# KiCad board AmigaPCI Mainboard.kicad_pcb (continued)
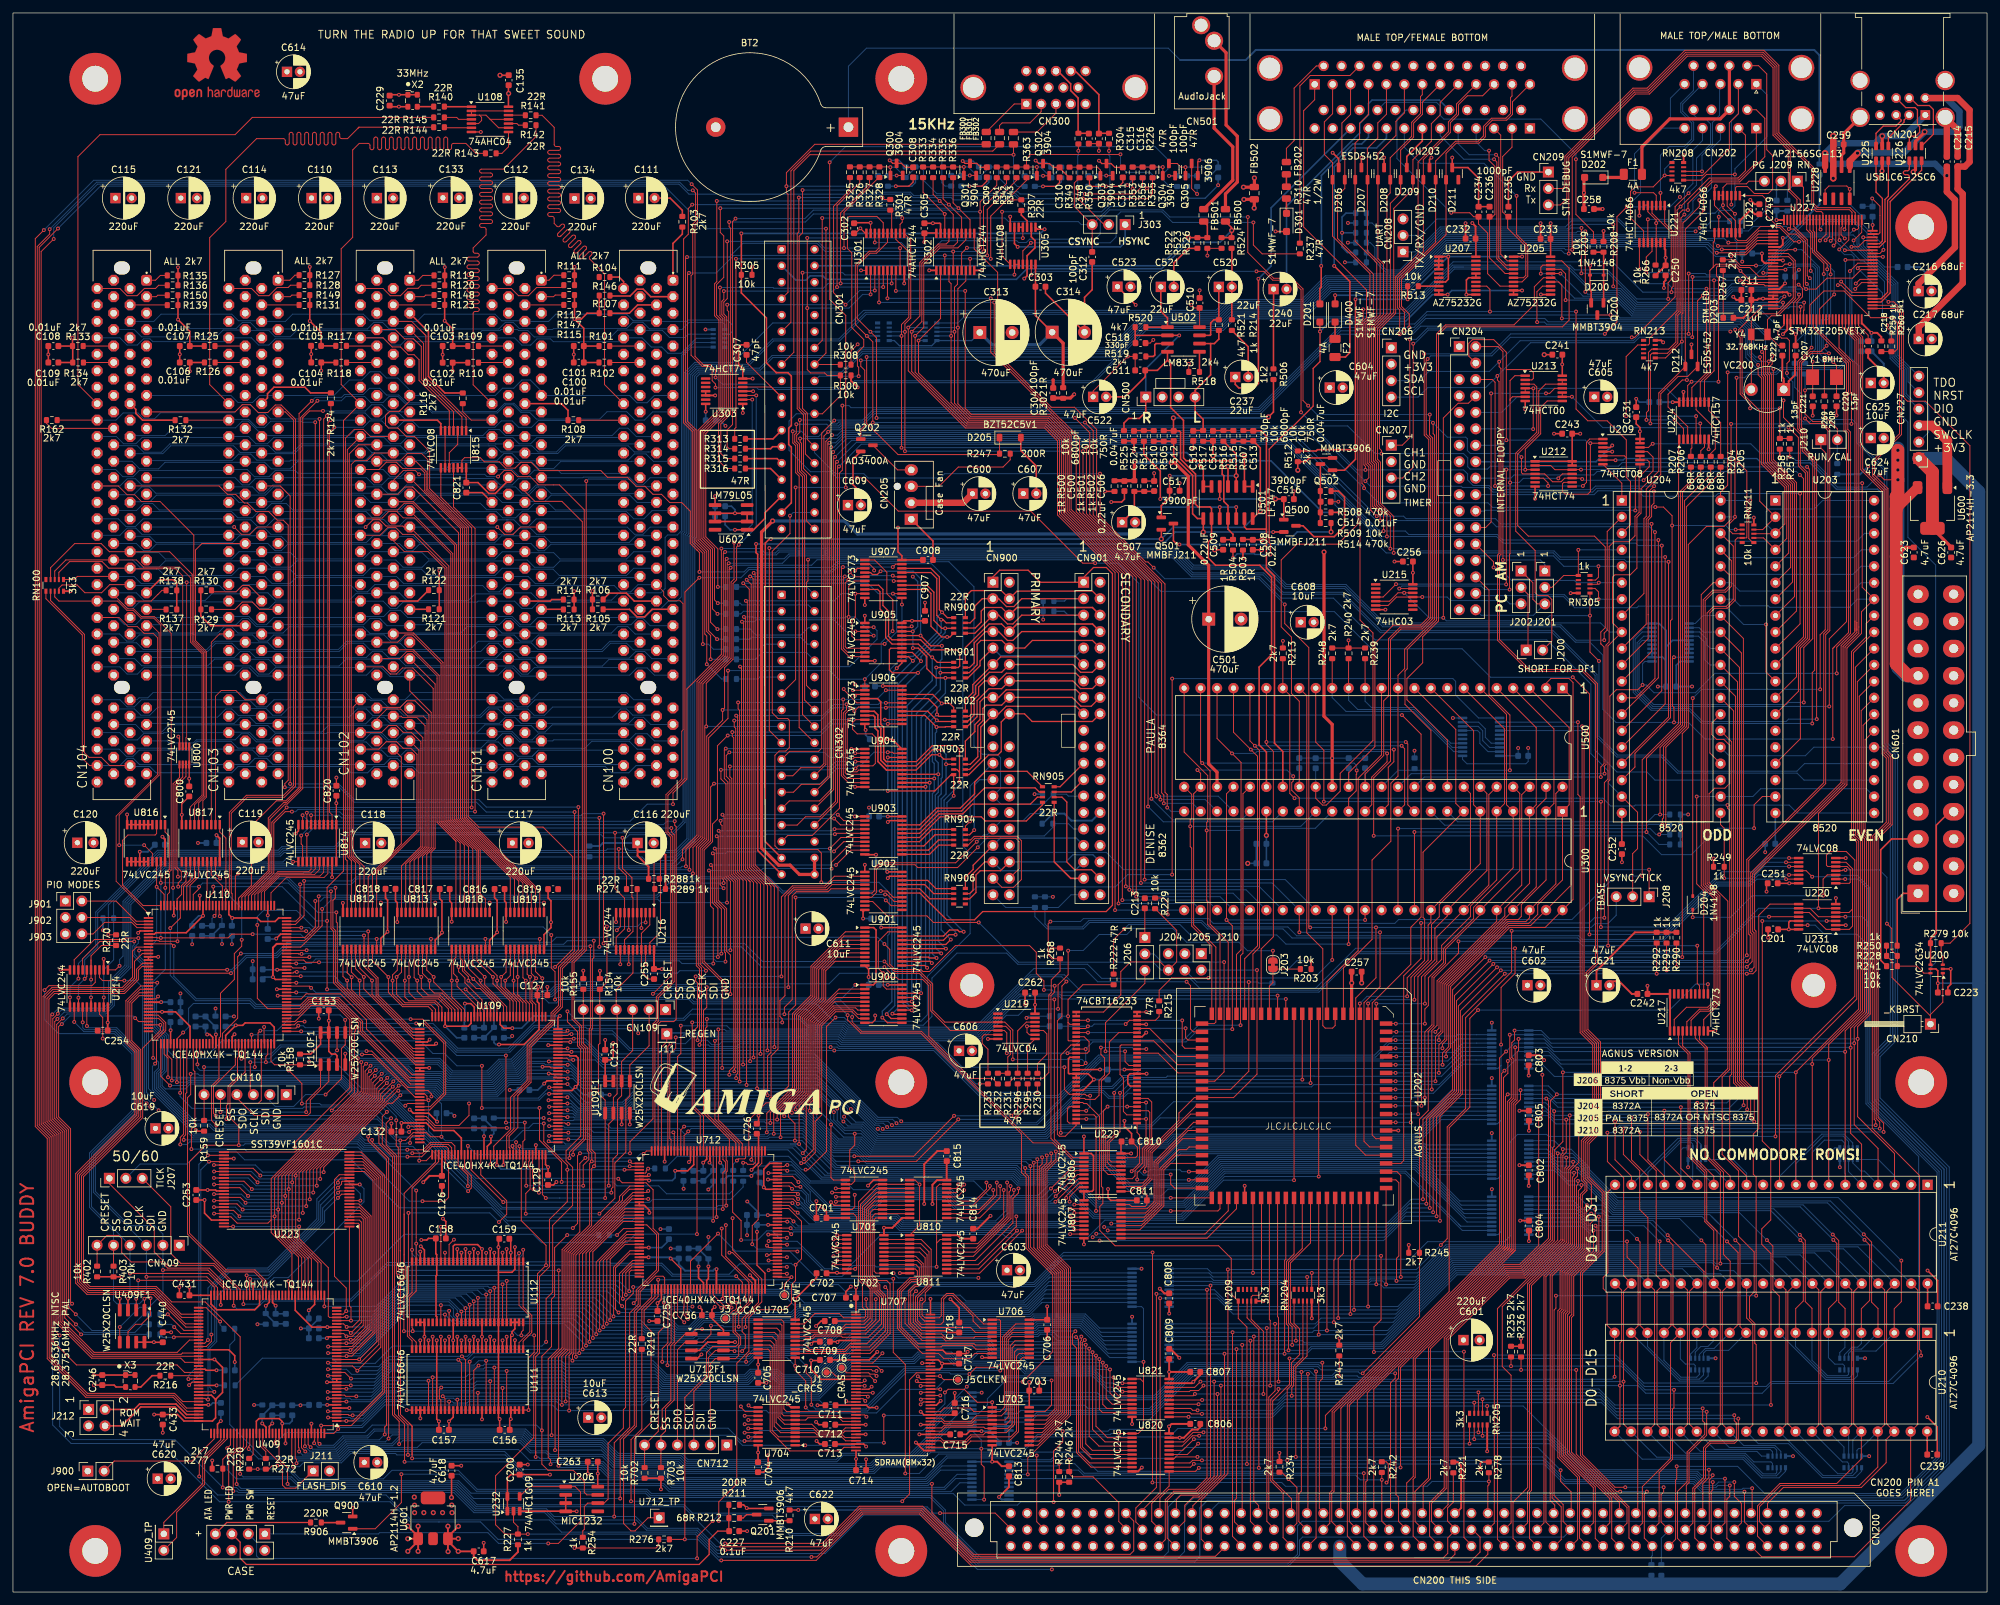
[diagram p0: board, top side]
## Routing (per net, layer and track width the routed paths; a pad name or vN(x,y) marks a point on that pad's centre or on a via; arc(x,y) is an arc through that point) (continued)
_CLMBE: length 37.1
  Top w0.15: U707.59 140.54,29.35 140.17,28.98 v1(140.15,28.98) ; 118.03,49.7 v1(116.67,49.7)
  In2.Cu w0.15: v1(140.15,28.98) 139.52,28.98 136.7,31.8 136.7,35.21 122.23,49.68 116.69,49.68 v1(116.67,49.7)
_COMPSYNC: length 88.7
  Top w0.15: C312.1 166.63,211.15 ; v1(124.95,212.17) 124.95,193.28 CN301.14 ; R353.1 v1(172.88,216.69) ; R348.1 163.88,217.59 163.88,213.95 164.77,213.06 164.77,213.03 J303.3 ; v1(137.31,212.16) 137.31,211.54 136.97,211.2 U301.12
  Bottom w0.15: v1(124.95,212.17) 124.95,212.17 136.44,212.17 136.44,212.17 153.15,212.17 153.71,211.62 164.49,211.62 164.95,211.16 J303.3 169.43,213.95 170.8,213.95 172.88,216.03 v1(172.88,216.69)
_CONFIGEN: length 79.4
  Top w0.15: v1(27.44,80.01) 27.44,76.84 26.96,76.36 26.96,55.28 32.8,49.44 37.25,49.44 38.58,48.1 U409.56 ; v1(60.58,75.1) 60.92,75.44 U109.24
  Bottom w0.15: v1(60.58,75.1) 60.26,75.1 58.35,77.01 53.74,77.01 50.96,79.78 28.78,79.78 28.56,80.01 v1(27.44,80.01)
_CPUBUS: length 45.4
  Top w0.15: v1(61.15,71.04) 61.55,71.44 U109.32 ; U110.60 34.34,81.41 30.97,78.03 30.97,73.91 v1(31.3,73.58)
  Bottom w0.15: v1(61.15,71.04) 58.65,71.04 56.1,73.58 31.31,73.58 v1(31.3,73.58)
_CPULOCK: length 53.5
  Top w0.15: 195.88,18.51 v1(196.94,17.44) 198.24,16.15 198.24,10.63 CN200.b18
  Bottom w0.15: U809.15 196.86,17.52 v1(196.94,17.44)
_CPURST: length 190.9
  Top w0.15: 197.41,7.11 196.11,8.41 196.11,15.28 194.2,17.19 194.2,29.76 195.39,30.95 v1(195.39,31.35) ; 281.46,103.63 v1(280.03,103.63) ; v1(270.1,103.62) 270.1,69.65 271.4,68.34 271.4,57.46 270.01,56.07 270.01,53.69 271.44,52.27 v1(271.44,28.89)
  Bottom w0.15: v1(195.39,31.35) 244.88,31.35 247.35,28.88 271.43,28.88 v1(271.44,28.89) ; v1(270.1,103.62) 280.02,103.62 v1(280.03,103.63)
_CRAS: length 37.5
  Top w0.15: v1(133.34,33.37) 133.06,33.65 132.33,33.65 132.13,33.85 U707.19 128.73,33.85 J6.1 ; U712.61 110.62,45.02 v1(110.94,44.69)
  In2.Cu w0.15: v1(133.34,33.37) 132.02,34.69 132.02,38.18 125.83,44.38 112.47,44.38 112.25,44.15 111.48,44.15 v1(110.94,44.69)
_CRCS: length 40.7
  Top w0.15: U712.60 110.12,44.77 v1(110.96,43.93) ; v1(133.12,32.57) 132.34,33.35 U707.20 127.04,33.35 126.47,33.92 J1.1
  In2.Cu w0.15: v1(110.96,43.93) 111.04,43.85 112.43,43.85 112.66,44.07 125.71,44.07 131.73,38.06 131.73,34.17 133.12,32.78 v1(133.12,32.57)
_CS0A: length 107.2
  Top w0.15: v1(107.47,111.42) 107.69,111.19 107.69,105.97 108.13,105.53 v1(108.13,97.05) ; U903.8 128.91,115.21 126.4,112.7 v1(126.4,111.71) ; v1(47.25,97.24) 45.24,97.24 44.89,97.59 U110.95
  Bottom w0.15: v1(126.4,111.71) 126.37,111.74 115.8,111.74 115.48,111.42 v1(107.47,111.42) ; v1(108.13,97.05) 103.3,97.05 102.88,97.47 86.4,97.47 86.18,97.24 v1(47.25,97.24)
_CS0B: length 117.7
  Top w0.15: v1(126.91,117.03) 127.04,117.16 U903.5 ; U110.85 v1(43.74,92.59) ; v1(110.78,92.34) 110.78,98.37 110.19,98.95 110.19,105.53 108.89,106.83 108.89,116.48 v1(108.66,116.71)
  Bottom w0.15: v1(126.91,117.03) 126.91,117.02 116.37,117.02 116.06,116.71 v1(108.66,116.71) ; v1(110.78,92.34) 106.73,92.34 105.87,93.2 84.06,93.2 83.1,92.24 45.69,92.24 45.34,92.59 v1(43.74,92.59)
_CS1A: length 106
  Top w0.15: v1(127.08,112.27) 129.38,114.56 U903.9 ; 42.33,98.01 45.73,98.01 v1(45.77,98.05) ; v1(108.84,98.06) 108.84,105.6 107.99,106.46 107.99,112.04 v1(107.76,112.27)
  Bottom w0.15: v1(107.76,112.27) v1(127.08,112.27) ; v1(108.84,98.06) 108.74,98.17 45.88,98.17 v1(45.77,98.05)
_CS1B: length 104.8
  Top w0.15: U110.102 45.08,101.09 46.69,102.69 v1(46.69,106.71) ; 131.53,117.81 126.85,117.81 v1(126.85,117.81) ; v1(108.96,117.55) 109.19,117.32 109.19,109.21 v1(109.72,108.68)
  Bottom w0.15: v1(108.96,117.55) 126.59,117.55 v1(126.85,117.81) ; v1(109.72,108.68) 100.92,108.68 99.53,107.29 48.06,107.29 47.48,106.71 v1(46.69,106.71)
_CSYNC: length 202.8
  Top w0.15: v1(211.07,101.87) 211.08,101.87 211.08,93.47 208.6,90.99 208.6,69.6 209.47,68.73 U202.80 ; U301.8 136.32,200.92 v1(136.32,200.92) ; U300.32 198.61,101.88 v1(198.62,101.87) ; v1(147.03,200.92) 147.03,182.78 147.95,181.86 160.15,181.86 163.38,178.63 163.38,167.19 174.16,156.41 v1(174.16,109.49)
  Bottom w0.15: v1(147.03,200.92) v1(136.32,200.92) ; v1(174.16,109.49) 194.42,109.49 U300.32 ; v1(211.07,101.87) v1(198.62,101.87)
_CUMBE: length 26.3
  Top w0.15: v1(134.25,36.87) 132.73,35.35 U707.16 ; 118.03,49.2 119.44,49.2 v1(119.5,49.15)
  In2.Cu w0.15: v1(134.25,36.87) 134.25,37.23 122.33,49.15 v1(119.5,49.15)
_CUTOFF: length 3.2
  Top w0.25: 220.15,201.66 217,201.66
_CUUBE: length 31.6
  Top w0.15: v1(140.38,35.35) U707.71 ; U712.85 v1(119.5,54.7)
  In2.Cu w0.15: v1(140.38,35.35) 121.03,54.7 v1(119.5,54.7)
_CWE: length 31.2
  Top w0.15: v1(134.13,34.14) 133.43,34.85 U707.17 ; J4.1 119.11,47.53 v1(120.2,48.62) 118.1,48.62
  In2.Cu w0.15: v1(120.2,48.62) 122.43,48.62 132.62,38.43 132.62,35.65 v1(134.13,34.14)
_DATARDY: length 178.6
  Top w0.15: v1(158.07,21.08) 158.07,10.86 159.3,9.63 ; 80.71,21.66 80.71,21.65 v1(80.71,20.85) ; 80.71,21.66 80.71,21.28 ; 80.71,21.66 80.71,36.32 81.29,36.91 81.29,48.71 82.84,50.25 82.84,57.53 85.59,60.29 v1(85.59,65.21) 85.59,65.92 81.96,69.55 v1(81.96,72.36) ; v1(76.26,71.67) 65.15,71.67 63.88,72.94 U109.29 ; U712.3 94.43,65.2 v1(94.42,65.21)
  Bottom w0.15: v1(76.26,71.67) 79.64,71.67 80.33,72.36 v1(81.96,72.36) ; v1(94.42,65.21) v1(85.59,65.21) ; v1(80.71,20.85) 81.12,20.85 81.35,20.63 85.18,20.63 85.68,20.13 91.16,20.13 92.45,18.84 101.59,18.84 102.76,17.66 140.8,17.66 144.14,21 157.23,21 157.31,21.08 v1(158.07,21.08)
_DBEN: length 86.3
  Top w0.15: U706.19 154.82,41.39 152.78,39.35 152.78,34.53 v1(152.45,34.19) ; v1(100.25,35.55) 100.25,37.6 101.12,38.47 U712.42 ; v1(122.46,34.94) 122.47,34.94 122.47,33.83 123.27,33.03 v1(123.27,28.93) ; v1(113.2,35.55) 113.2,36.35 113.69,36.84 115.05,36.84
  Bottom w0.15: v1(100.25,35.55) v1(113.2,35.55) 113.66,35.55 114.63,36.52 120.88,36.52 v1(122.46,34.94) ; v1(123.27,28.93) 123.94,28.26 131.73,28.26 137.66,34.19 v1(152.45,34.19)
_DBR: length 53.7
  Top w0.15: U202.20 200.34,78.61 v1(200.35,78.6) ; v1(170.93,77.08) 170.93,71.07 169.25,69.39 169.25,66.76 169.59,66.43 U806.18
  Bottom w0.15: v1(200.35,78.6) 172.45,78.6 v1(170.93,77.08)
_DEVSEL: length 117.4
  Top w0.13: v1(26.82,155.91) 26.82,132.03 26.71,131.92 U800.2
  Top w0.15: RN100.6 9.46,156.35 9.94,156.83 CN104.B37
  Bottom w0.13: 35.85,156.83 38.91,156.83 40.02,155.72 42.77,155.72 43.73,156.68 56.02,156.68 ; 56.18,156.82 59.22,156.82 60.34,155.71 63.09,155.71 64.05,156.67 76.34,156.67 ; 76.49,156.82 79.54,156.82 80.66,155.71 83.4,155.71 84.36,156.67 96.65,156.67 ; 35.71,156.68 31.13,156.68 30.36,155.91 v1(26.82,155.91) 22.45,155.91 22.26,155.72 19.81,155.72 18.69,156.83 CN104.B37
_DIORA: length 107.4
  Top w0.15: v1(108.06,114.08) 108.29,113.85 108.29,106.58 109.38,105.49 v1(109.38,98.59) ; U903.7 128.26,115.86 v1(126.77,114.37) ; v1(44.56,98.54) 44.09,98.54 44.04,98.59 U110.97
  Bottom w0.15: v1(109.38,98.59) 45.09,98.59 45.04,98.54 v1(44.56,98.54) ; v1(126.77,114.37) 126.69,114.28 110.27,114.28 110.06,114.08 v1(108.06,114.08)
_DIORB: length 106.5
  Top w0.15: U903.3 127.75,118.46 v1(126.78,119.44) ; v1(47.21,107.43) 47.21,102.79 45.01,100.59 U110.101 ; v1(109.26,119.1) 109.26,118.57 109.49,118.35 109.49,110.18 109.72,109.94 v1(109.72,109.48)
  Bottom w0.15: v1(109.72,109.48) 101.3,109.48 99.42,107.6 47.39,107.6 v1(47.21,107.43) ; v1(126.78,119.44) 109.6,119.44 v1(109.26,119.1)
_DIOWA: length 110.3
  Top w0.15: U110.94 43.72,97.09 v1(43.74,97.06) ; v1(108.36,114.81) 108.59,114.58 108.59,106.71 109.89,105.41 109.89,98.82 110.01,98.7 v1(110.01,97.35) ; U903.6 127.84,116.51 v1(126.13,114.81)
  Bottom w0.15: v1(110.01,97.35) 108.63,97.35 108.21,97.77 46.77,97.77 46.06,97.06 v1(43.74,97.06) ; v1(126.13,114.81) v1(108.36,114.81)
_DIOWB: length 109
  Top w0.15: v1(127.36,120.03) 128.28,119.11 U903.2 ; U110.99 44.43,99.59 47.74,102.89 v1(47.74,105.48) ; v1(110.25,106.45) 110.25,109.84 109.79,110.3 109.79,119.79 v1(109.55,120.03)
  Bottom w0.15: v1(127.36,120.03) v1(109.55,120.03) ; v1(47.74,105.48) 49.25,106.99 99.56,106.99 100.09,106.45 v1(110.25,106.45)
_DKRD: length 52.9
  Top w0.15: CN204.30 227.9,154.71 227.9,138.65 231.13,135.42 v1(231.13,126.9)
  Bottom w0.15: U500.37 213.87,126.9 v1(231.13,126.9)
_DKWD: length 87.3
  Top w0.15: U209.10 U209.9 252.35,174.8 252.65,174.5 252.65,173.78 251.07,172.21 251.07,166.72 250.44,166.09 250.44,163.1 249.53,162.19 247.19,162.19 246.45,161.45 246.45,146.7 245.96,146.22 245.96,127.78 245.74,127.56 v1(245.74,126.38)
  Bottom w0.15: v1(245.74,126.38) 215.88,126.38 U500.38
_DRDEN: length 62.3
  Top w0.15: U811.19 143.17,54.44 142.61,53.89 ; 142.61,53.89 142.61,62.52 143.06,62.97 U810.19 ; 142.61,53.89 v1(142.61,50.22) ; v1(114.15,53.71) 114.15,56.59 115.06,57.5 115.06,65.64 115.62,66.21 U712.110
  Bottom w0.15: v1(142.61,50.22) 133.26,50.22 133.05,50.43 129.7,50.43 128.01,48.73 126.09,48.73 121.71,53.11 118.78,53.11 118.62,52.95 114.9,52.95 v1(114.15,53.71)
_FEN: length 39.9
  Top w0.15: v1(30.09,67.44) 30.09,67.44 U223.26 ; v1(27.09,32.88) 27.53,32.88 27.55,32.91 U409.95
  Bottom w0.15: v1(30.09,67.44) 28.7,66.06 28.7,35.06 27.09,33.45 v1(27.09,32.88)
_FIR0: length 105
  Top w0.15: U227.63 285.35,204.2 284.04,202.89 280.08,202.89 278.39,201.2 v1(276.86,201.2) 276.44,201.62 276.44,208.57 275.32,209.69 274.21,209.69 272.89,211.01 272.32,211.01 270.65,212.69 270.65,215.11 270.13,215.63 U222.1 ; v1(260.91,200.2) 260.11,199.4 D212.2 258.58,187.72 257.11,187.72 254.42,185.03 254.42,172.56 252.18,170.32 252.18,166.1 251.82,165.74 251.82,154.19 U204.8
  Bottom w0.15: v1(260.91,200.2) 264.43,200.2 265.44,201.2 v1(276.86,201.2)
_FIR1: length 403.9
  Top w0.15: v1(279.86,208.73) 280.45,209.32 U227.86 ; U202.78 214.29,66.19 214.73,66.63 214.73,95.16 217.41,97.84 v1(217.41,103.32) ; v1(116.78,161.2) 116.78,133.03 CN302.19 ; v1(245.71,104.12) 245.71,104.12 245.71,124.99 246.26,125.54 246.26,146.09 U204.9 246.98,149.67 246.98,156.71 247.35,157.08 249.71,157.08 250.74,158.11 250.74,165.97 251.38,166.6 251.38,170.36 254.12,173.1 254.12,185.16 D212.1 258.21,210.44 261.04,213.27 v1(261.04,213.49) 261.04,216.43 262.36,217.75 266.6,217.75 270.49,221.63 270.49,227.57 269.16,228.9 CN202.15
  In2.Cu w0.15: v1(279.86,208.73) 279.38,209.21 276.65,209.21 276.44,209.42 276.46,209.41 273.43,212.44 271.51,212.44 270.93,211.85 264.62,211.85 262.98,213.49 v1(261.04,213.49)
  Bottom w0.15: U204.9 246.54,148.24 245.13,149.65 211.75,149.65 205.82,155.58 196.66,155.58 193.66,158.57 182.27,158.57 179.65,161.2 v1(116.78,161.2) ; v1(217.41,103.32) 243.38,103.32 244.18,104.12 v1(245.71,104.12)
_FRAME: length 151.3
  Top w0.13: U817.7 28.03,121.55 29.43,122.95 29.43,145.01 27.68,146.76 27.68,147.99
  Top w0.15: 27.68,147.99 27.68,157.16 24.19,160.64 CN104.A34 14.88,160.64 13.63,161.9 9.53,161.9 5.81,158.18 RN100.9
  Bottom w0.13: 79.17,160.49 83.49,160.49 84.46,159.52 94.73,159.52 95.84,160.63 99.35,160.63 ; 79.04,160.63 75.54,160.63 74.42,159.52 64.15,159.52 63.18,160.49 58.86,160.49 ; 18.23,160.5 22.55,160.5 23.52,159.53 33.79,159.53 34.9,160.64 CN103.A34 ; 58.71,160.64 55.21,160.64 54.1,159.53 43.83,159.53 42.86,160.5 38.54,160.5
_FRDEN: length 39.7
  Top w0.15: v1(30.27,66.46) 30.28,66.46 32.55,66.46 ; v1(27.2,31.96) 27.65,32.41 U409.96
  Bottom w0.15: v1(30.27,66.46) 29,65.19 29,33.76 v1(27.2,31.96)
_FRST: length 25.6
  Top w0.15: v1(50.19,61.67) 50.46,61.94 U223.12 ; U409.61 v1(36.08,48.91)
  Bottom w0.15: v1(50.19,61.67) 47.82,59.3 47.82,57.25 39.48,48.91 v1(36.08,48.91)
_FWP: length 51.2
  Top w0.15: U409.99 v1(31.09,30.91)
  Top w0.25: U223.14 v1(53.54,62.94)
  Bottom w0.15: v1(31.09,30.91) 30.42,31.58 30.42,37.63 31.46,38.68 31.46,45.6 32.62,46.76 38.5,46.76 40.28,48.55 42.49,48.55 54.2,60.26 54.2,62.28 v1(53.54,62.94)
_FWREN: length 24.3
  Top w0.15: v1(36.61,48.36) 36.61,47.91 36.51,47.82 36.51,45.89 ; v1(50.18,60.87) 50.75,61.44 U223.11
  Bottom w0.15: v1(50.18,60.87) 48.12,58.81 48.12,57.12 39.36,48.36 v1(36.61,48.36)
_HSYNC: length 286.5
  Top w0.15: U301.2 132.42,200.38 v1(132.42,200.38) ; v1(214.46,135.42) 217.42,132.46 217.42,104.23 215.83,102.64 215.83,96.92 209.87,90.96 209.87,70.57 210.44,70 U202.81 ; v1(130.33,172.06) 131.54,172.06 136.69,166.91 157.15,166.91 165.19,158.88 v1(167.09,158.88) ; v1(155.93,209.07) U305.4 ; CN301.22 124.97,181.94 127.75,184.72 R300.1 125.71,187.87 125.33,188.25 123.15,188.25 122.64,188.76 v1(122.64,198.27) v1(122.64,209.09)
  Top w0.25: U305.5 U305.4
  Bottom w0.15: v1(130.33,172.06) 127.2,172.06 126.26,172.99 123.13,172.99 119.83,176.3 119.83,180.83 120.94,181.94 CN301.22 ; v1(214.46,135.42) 176.58,135.42 173.82,138.18 173.82,155.77 170.71,158.88 v1(167.09,158.88) ; v1(132.42,200.38) 131.19,200.38 129.08,198.27 v1(122.64,198.27) ; v1(155.93,209.07) 155.91,209.09 v1(122.64,209.09)
_IDEEN: length 95.7
  Top w0.15: U110.12 19.97,98.59 18.76,97.38 18.76,94.82 16.98,93.03 6.12,93.03 4.95,91.86 4.95,72.51 6.79,70.67 6.79,41.47 12.15,36.11 25.91,36.11 26.55,35.47 28.61,35.47
_IDEHREN: length 160.2
  Top w0.15: v1(110.4,142.28) 110.4,134.9 107.42,131.92 107.42,116.13 106.12,114.82 106.12,96.96 107,96.08 v1(107,95.94) ; v1(135.82,148.38) 135.86,148.42 135.86,153.23 134.93,154.16 134.93,157.47 133.03,159.37 U907.1 ; U906.1 v1(131.53,140.96) ; U110.90 44.43,95.09 v1(44.44,95.1)
  Bottom w0.15: v1(107,95.94) 102.96,95.94 102.6,95.58 91.9,95.58 90.57,94.25 79.84,94.25 79.48,93.89 50.87,93.89 49.66,95.1 v1(44.44,95.1) ; v1(135.82,148.38) 134.06,146.63 134.06,143.49 v1(131.53,140.96) 127.42,140.96 126.09,142.29 110.41,142.29 v1(110.4,142.28)
_IDEHWEN: length 149.8
  Top w0.15: U110.98 45.32,99.09 v1(45.34,99.11) ; U905.19 138.64,148.99 v1(138.77,149.12) ; U904.19 135.94,129.53 135.79,129.68 v1(135.08,129.68) ; v1(110.78,99.11) 110.78,109.74 110.09,110.43 110.09,124.78 109.31,125.56 v1(109.31,126.97)
  In2.Cu w0.15: v1(135.08,129.68) 133.74,131.02 133.74,144.09 v1(138.77,149.12)
  Bottom w0.15: v1(109.31,126.97) 126.4,126.97 127.14,127.7 130.98,127.7 132.95,129.68 v1(135.08,129.68) ; v1(110.78,99.11) v1(45.34,99.11)
_IDELATCH: length 159.3
  Top w0.15: v1(110.11,92.88) 110.11,94 ; 110.11,94 110.03,94.08 ; 110.11,94 110.03,94.08 ; v1(137.26,152.48) 137.25,152.48 U907.11 ; v1(46.03,93.3) 45.76,93.56 42.28,93.56 ; v1(135.08,134.06) U906.11 ; 110.03,94.08 106.72,97.39 106.72,114.58 108.02,115.88 108.02,118.6 108.77,119.35 108.77,130.67 v1(110.36,132.26)
  Bottom w0.15: v1(110.36,132.26) 124.68,132.26 126.47,134.06 v1(135.08,134.06) 135.3,134.28 135.3,142.32 137.26,144.27 v1(137.26,152.48) ; v1(110.11,92.88) 106.62,92.88 106,93.5 83.94,93.5 83,92.56 81.57,92.56 81.54,92.54 46.79,92.54 v1(46.03,93.3)
_IDELEN: length 108.3
  Top w0.15: U900.19 134.87,93.11 134.37,93.61 v1(134.37,95.55) 133.61,96.3 133.61,100.47 135.09,101.95 U901.19 ; U110.88 v1(43.75,94.09)
  Bottom w0.15: v1(134.37,95.55) 127.64,95.55 126.01,93.92 104.94,93.92 104.81,93.8 83.81,93.8 82.88,92.86 80.73,92.86 80.01,93.59 50.75,93.59 50.25,94.09 v1(43.75,94.09)
_INDEX: length 142.3
  Top w0.15: v1(220.84,150.44) 220.85,150.45 220.85,181.29 223.13,183.57 224.73,183.57 CN204.8 ; U215.5 212.55,153 213.85,154.3 v1(214.8,154.3) U215.12 ; v1(244.88,143.77) 243.49,145.16 v1(243.49,150.78) RN305.1
  Bottom w0.15: v1(244.88,143.77) 244.88,132.12 247.76,129.24 254.65,129.24 257.14,126.75 275.44,126.75 276.61,127.92 U203.24 ; v1(243.49,150.78) 243.49,150.77 237.25,150.77 236.45,149.98 221.3,149.98 v1(220.84,150.44) 218.66,150.44 v1(214.8,154.3)
_INT2: length 115.2
  Top w0.15: v1(245.18,102.69) 245.18,122.05 v1(245.19,122.06) ; U220.8 v1(274.23,113.34) ; v1(202.4,122.06) 202.4,129.99 201.15,131.24 U500.16
  Bottom w0.15: v1(274.23,113.34) 270.76,113.34 268.65,111.23 263.8,111.23 255.26,102.69 v1(245.18,102.69) ; v1(202.4,122.06) v1(245.19,122.06)
_INT2A: length 191.4
  Top w0.15: U204.21 263.65,118.51 264.21,117.94 R249.2 264.21,110.22 v1(264.21,110.22) ; v1(231.39,102.1) 231.39,95.78 224.29,88.69 224.29,74.66 221.45,71.82 221.45,54.57 v1(220.46,53.58) ; CN200.c13 183.46,8.17 183.46,14.18 187.58,18.31 187.58,49.8 v1(187.58,49.81) ; U220.9 v1(273.76,112.69)
  Bottom w0.15: v1(187.58,49.81) 216.68,49.81 v1(220.46,53.58) ; v1(273.76,112.69) 270.58,112.69 268.11,110.22 v1(264.21,110.22) 263.21,110.22 255.09,102.1 231.39,102.1 v1(231.39,102.1)
_INT2B: length 340.7
  Top w0.15: v1(34.74,110.96) 34.34,110.56 U110.121 ; v1(104.99,110.96) 105,110.97 105,114.98 106.52,116.5 106.52,140.23 110.58,144.29 110.58,157.95 v1(110.81,158.17) ; v1(240.84,141.26) 243.42,138.69 v1(243.42,101.55) ; U220.10 v1(274.23,112.04)
  Bottom w0.15: v1(243.42,101.55) 254.97,101.55 263.05,109.63 267.94,109.63 270.35,112.04 v1(274.23,112.04) ; v1(34.74,110.96) 44.8,110.96 45.03,111.19 48.87,111.19 49.09,110.96 v1(104.99,110.96) ; v1(110.81,158.17) 111.19,158.56 123.32,158.56 124.16,159.4 172.36,159.4 177.23,154.53 189.3,154.53 192.43,151.4 204.02,151.4 209.76,145.66 223.75,145.66 228.15,141.26 v1(240.84,141.26)
_INT3: length 57.7
  Top w0.15: U202.17 204.15,87.48 203.75,87.08 202.62,87.08 202.24,87.46 202.24,99.32 199.76,101.8 199.76,138.42 U500.17
_INT6: length 275.2
  Top w0.15: v1(197.88,122.58) 197.14,123.32 197.14,138.5 U500.18 R213.2 ; v1(269.16,32.27) 269.16,38.19 268.94,38.42 268.94,41.48 268.12,42.3 268.12,45.6 268.85,46.32 268.85,52.52 266.44,54.93 266.44,65.03 263.9,67.57 263.9,79.53 265.07,80.7 265.07,120.7 264.72,121.05 v1(264.72,121.52) ; v1(228.67,36.59) 228.72,36.54 228.72,10.63 CN200.b30
  Bottom w0.15: U203.21 275.47,120.3 274.25,121.52 v1(264.72,121.52) 250.47,121.52 250.33,121.38 246.7,121.38 245.5,122.58 241.45,122.58 241.45,122.59 197.88,122.59 v1(197.88,122.58) ; v1(228.67,36.59) 247.48,36.59 251.79,32.27 v1(269.16,32.27)
_IPL0: length 144.3
  Top w0.15: v1(241.63,134.32) 241.63,123.15 241.98,122.8 241.98,86.38 243.91,84.45 243.91,71.47 242.16,69.72 242.16,63.61 242.72,63.06 242.72,62.12 242.01,61.41 242.01,53.17 237.65,48.81 237.65,14.55 239.05,13.15 239.05,8.11 238.05,7.11
  Bottom w0.15: U208.12 241.62,134.32 v1(241.63,134.32)
_IPL1: length 144.6
  Top w0.15: 240.58,7.09 241.58,8.09 241.58,17.71 238.53,20.76 238.53,43.44 238.88,43.78 238.88,49.62 242.31,53.05 242.31,61.29 243.02,61.99 243.02,63.18 242.46,63.74 242.46,69.6 244.21,71.35 244.21,84.57 242.27,86.51 v1(242.27,133.68)
  Bottom w0.15: U208.13 242.27,133.67 v1(242.27,133.68)
_IPL2: length 143.1
  Top w0.15: CN200.b36 244.01,10.68 244.01,16.13 239.13,21.01 239.13,43.19 239.48,43.53 239.48,49.37 242.91,52.8 242.91,58.62 243.7,59.41 243.7,62.92 242.76,63.86 242.76,69.47 244.51,71.22 244.51,84.7 242.57,86.63 242.57,131.22 242.89,131.53 v1(242.89,133.02)
  Bottom w0.15: U208.14 242.88,133.02 v1(242.89,133.02)
_IRDY: length 147.9
  Top w0.13: 15.54,159.38 19.06,159.38 20.17,158.27 25.75,158.27 27.43,156.6 ; U817.8 27.38,121.22 29.2,123.05 29.2,144.91 27.43,146.69 27.43,147.99
  Top w0.15: 15.54,159.38 8.16,159.38 6.45,157.66 RN100.8 ; 27.43,147.99 27.43,156.6
  Bottom w0.13: 76.49,159.36 79.42,159.36 80.53,158.25 83.49,158.25 84.46,159.22 96.66,159.22 ; 35.85,159.38 38.78,159.38 39.9,158.26 42.86,158.26 43.83,159.23 56.03,159.23 ; 35.72,159.23 23.52,159.23 22.55,158.26 19.59,158.26 18.47,159.38 15.54,159.38 ; 56.18,159.36 59.11,159.36 60.22,158.25 63.18,158.25 64.15,159.22 76.35,159.22
_KBCLK: length 70.4
  Top w0.15: 268.63,162.06 268.01,162.68 268.01,166.89 268.24,167.11 v1(268.24,168.56) ; U204.40 263.65,169.82 264.75,170.92 v1(264.75,188.34) ; U227.66 v1(282.93,205.7)
  Bottom w0.15: U204.40 v1(268.24,168.56) ; v1(264.75,188.34) 272.17,188.34 272.9,189.06 281.9,189.06 282.93,190.09 282.93,205.69 v1(282.93,205.7)
_KBRST: length 148
  Top w0.15: v1(284.83,204.42) 285.11,204.7 U227.64 ; R228.1 290.14,97.38 290.14,94.88 296.06,88.96 CN210.1 296.06,89.18 297.97,91.09 U200.1 ; R250.1 289.27,98.24
  Bottom w0.15: CN210.1 296.06,96.42 296.86,97.22 296.86,158.6 292.58,162.88 292.58,180.67 291.71,181.54 291.71,188.61 289.83,190.49 289.83,194.05 288.65,195.23 288.65,200.6 v1(284.83,204.42)
_LBCEN: length 160.7
  Top w0.15: v1(28.77,17.86) 28.77,20.22 32.08,23.53 U409.112
  In3.Cu w0.15: CN200.a4 162.82,11.03 162.82,5.9 v1(160.41,3.5)
  Bottom w0.15: v1(160.41,3.5) 148.91,3.5 140.51,11.9 131.36,11.9 125.4,5.94 108.8,5.94 105.49,9.25 84.7,9.25 82.81,11.13 61.46,11.13 57.6,14.99 31.59,14.99 28.77,17.81 v1(28.77,17.86)
_LDS: length 86.3
  Top w0.15: v1(108.38,85.11) 108.38,73.03 112.12,69.3 U712.117 ; v1(165.71,74.32) 165.71,74.32 U229.53 ; v1(162.34,81.04) 162.34,77.62 163.1,76.86 U229.49 165.55,76.86 165.77,76.64 v1(166.31,76.64)
  Bottom w0.15: v1(166.31,76.64) 166.31,74.92 v1(165.71,74.32) ; v1(108.38,85.11) 108.66,85.38 127.43,85.38 127.98,84.83 142.81,84.83 146.6,81.04 v1(162.34,81.04)
_LED: length 242.6
  Top w0.15: v1(241.34,197.73) 241.34,182.68 243.16,180.86 246.15,180.86 249.1,177.91 249.1,175.16 ; 249.1,175.16 248.81,175.45 U209.5 ; 249.1,175.16 249.1,172.12 249.75,171.48 249.75,164.81 U204.3 ; v1(228.05,197.72) 228.05,201.15 227.55,201.66 225.88,201.66 ; v1(128.06,183.21) 128.06,173.24 127.61,172.79 127.61,121.03 123.4,116.82 119.61,116.82 CN302.31
  Bottom w0.15: v1(128.06,183.21) 129.08,183.21 129.4,182.89 192.3,182.89 205.22,195.81 216.42,195.81 218.34,197.72 v1(228.05,197.72) 241.33,197.72 v1(241.34,197.73)
_LLBE: length 108.5
  Top w0.15: U712.124 108.62,57.92 v1(108.64,57.89) ; v1(25.31,78.73) 25.31,82.63 24.84,83.11 U110.41
  Bottom w0.15: v1(108.64,57.89) 76.19,57.89 57.88,76.21 53.41,76.21 50.63,78.98 27.11,78.98 26.86,78.73 v1(25.31,78.73)
_LMBE: length 108.8
  Top w0.15: v1(109.59,59.14) 109.62,59.16 109.62,64.76 110.03,65.18 110.03,66.38 109.62,66.8 U712.122 ; U110.39 23.84,82.94 24.53,82.25 v1(24.53,79)
  Bottom w0.15: v1(24.53,79) 24.88,79 25.11,79.23 50.74,79.23 53.51,76.46 58.05,76.46 75.37,59.14 109.59,59.14 v1(109.59,59.14)
_LVAWE: length 112
  Top w0.15: U806.3 163.9,66.43 160.26,70.06 160.26,92.09 160.84,92.67 v1(160.84,93.62) ; U712.136 102.62,82.68 103.12,83.18 v1(103.12,87.46) 103.12,87.46
  Bottom w0.15: 160.45,93.63 160.23,93.63 160.83,93.63 v1(160.84,93.62) 156.24,93.62 148.95,86.33 128.61,86.33 128,86.94 110.73,86.94 110.22,87.44 103.14,87.44 v1(103.12,87.46)
_LVBB: length 186.5
  Top w0.15: v1(84.26,49.67) 84.26,37.61 82.65,35.99 82.65,20.79 83.01,20.43 v1(83.01,19.74) ; U110.48 28.34,82.43 28.48,82.29 v1(28.48,81.48) ; v1(59.74,49.67) 59.5,49.91 59.5,68.61 59.18,68.93 v1(59.18,72.84) ; v1(44.61,75.43) 44.61,78.52 v1(42.59,80.54)
  Bottom w0.15: 85.05,19.92 85.43,19.53 90.91,19.53 92.2,18.24 100.86,18.24 102.04,17.06 141.05,17.06 143.45,19.47 U809.9 ; 85.05,19.92 84.94,20.02 ; 85.05,19.92 84.94,20.02 ; 84.94,20.02 83.29,20.02 v1(83.01,19.74) ; 60.28,49.67 v1(59.74,49.67) ; 60.28,49.67 60.03,49.67 60.03,49.67 ; 60.28,49.67 81.87,49.67 81.87,49.67 v1(84.26,49.67) ; v1(28.48,81.48) 28.48,80.96 28.9,80.54 v1(42.59,80.54) ; v1(44.61,75.43) 44.61,75.43 47.36,75.43 47.59,75.21 57.42,75.21 59.18,73.45 v1(59.18,72.84)
_LVBR: length 272.3
  Top w0.15: v1(35.19,98.6) 34.69,98.11 34.69,88.62 32.34,86.26 U110.56 ; U231.11 v1(271.14,104.28) ; v1(159.18,92.98) 159.18,94.37 158,95.55 158,98.79 156.97,99.82 145.51,99.82 141.51,95.82 140.5,95.82 140.2,96.12 136.22,96.12 135.38,96.97 135.38,99.24 v1(134.55,100.07)
  Bottom w0.15: v1(271.14,104.28) 268.66,104.28 262.95,98.57 207.56,98.57 201.63,92.64 160.76,92.64 160.42,92.98 v1(159.18,92.98) ; v1(35.19,98.6) 40.58,98.6 42.3,100.33 83.12,100.33 83.9,101.1 133.52,101.1 v1(134.55,100.07)
_LVCASL: length 56
  Top w0.15: U712.105 v1(116.64,64.7) ; v1(160.88,61.88) 164.12,65.12 U806.5
  Bottom w0.15: v1(116.64,64.7) 118.4,64.7 118.57,64.52 120.81,64.52 126.1,59.22 130.97,59.22 133.84,62.09 144.59,62.09 146.04,60.64 159.63,60.64 v1(160.88,61.88)
_LVCASU: length 53.8
  Top w0.15: v1(161,61.13) 164.34,64.47 U806.6 ; U712.104 120.39,64.2 v1(121.28,63.31)
  Bottom w0.15: v1(161,61.13) 160.21,60.34 145.92,60.34 144.46,61.8 133.96,61.8 131.09,58.93 124.65,58.93 123.1,60.48 123.1,61.81 121.6,63.31 v1(121.28,63.31)
_LVCBE0: length 7.5
  Top w0.15: U110.125 32.34,109.02 30.62,110.73 U817.18
_LVCBE1: length 6.8
  Top w0.15: U110.130 29.84,107.64 29.97,107.77 U817.17
_LVCBE2: length 7.3
  Top w0.15: U817.15 28.68,110.45 27.34,109.12 U110.135
_LVCBE3: length 7.3
  Top w0.15: U817.14 28.03,110.22 26.84,109.04 U110.136
_LVCPULOCK: length 187.1
  Top w0.15: U110.43 25.84,77.11 v1(25.81,77.09) ; v1(57.74,74.15) 57.03,73.44 57.03,69.19 58.9,67.31 58.9,27.51 60.47,25.94 v1(60.47,20.11)
  Bottom w0.15: v1(25.81,77.09) 25.81,76.51 27.64,74.69 44.73,74.69 44.95,74.91 56.98,74.91 v1(57.74,74.15) ; U809.5 146.2,16.88 144.83,15.5 101.32,15.5 100.38,16.44 79.9,16.44 76.23,20.11 v1(60.47,20.11)
_LVDBR: length 106.7
  Top w0.15: v1(102.33,85.65) 102.33,83.99 101.42,83.08 101.42,70.03 101.62,69.83 U712.138 ; v1(160.79,91.51) 160.79,69.95 163.67,67.07 U806.2
  Bottom w0.15: v1(160.79,91.51) 155.41,91.51 150.17,86.27 149.32,85.43 128.23,85.43 127.63,86.03 103.58,86.03 103.2,85.65 v1(102.33,85.65)
_LVDEVSEL: length 78.1
  Top w0.15: U800.7 26.71,125.94 25.32,124.55 25.32,111.93 26,111.26 26,109.97 25.51,109.49 v1(25.51,108.92) ; v1(49.93,104.95) 49.93,104.95 49.93,103.46 50.08,103.31 50.08,94.34 61.98,82.44 U109.10 ; U110.134 27.84,107.72 28.73,108.61 v1(28.73,108.92)